# Altium PCB BMS_INV.PcbDoc (part 1 of 2)
Units mm, origin at the board's own origin, x right, y up, seen from the top; angles counter-clockwise.
Board outline 285.25 x 105.25 mm, 2 copper layers (Top Layer, Bottom Layer), stack 2.071 mm thick; 130 components, 72 nets, 340 pads, 833 vias.
Unrouted connection lines stored in the file: 8.
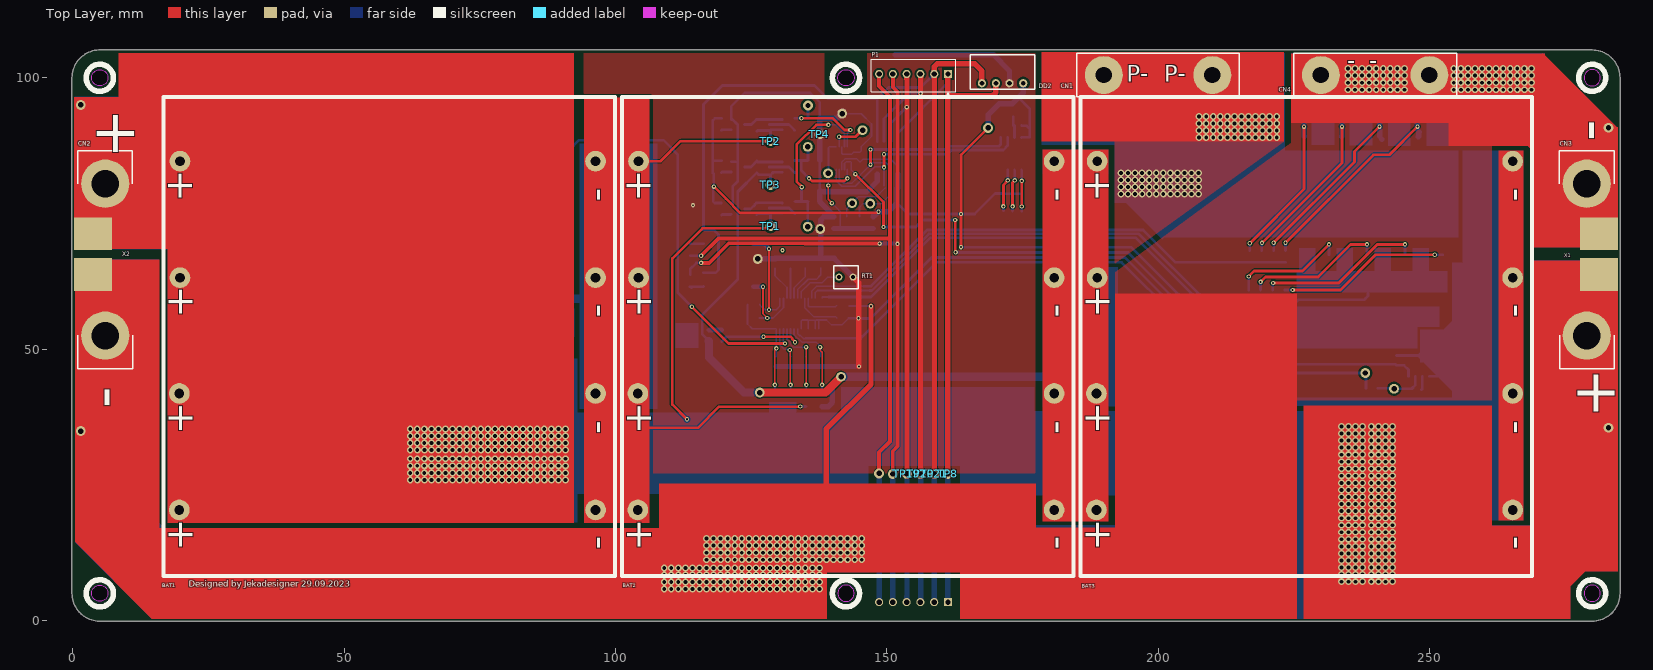
[diagram p0: Top Layer view]
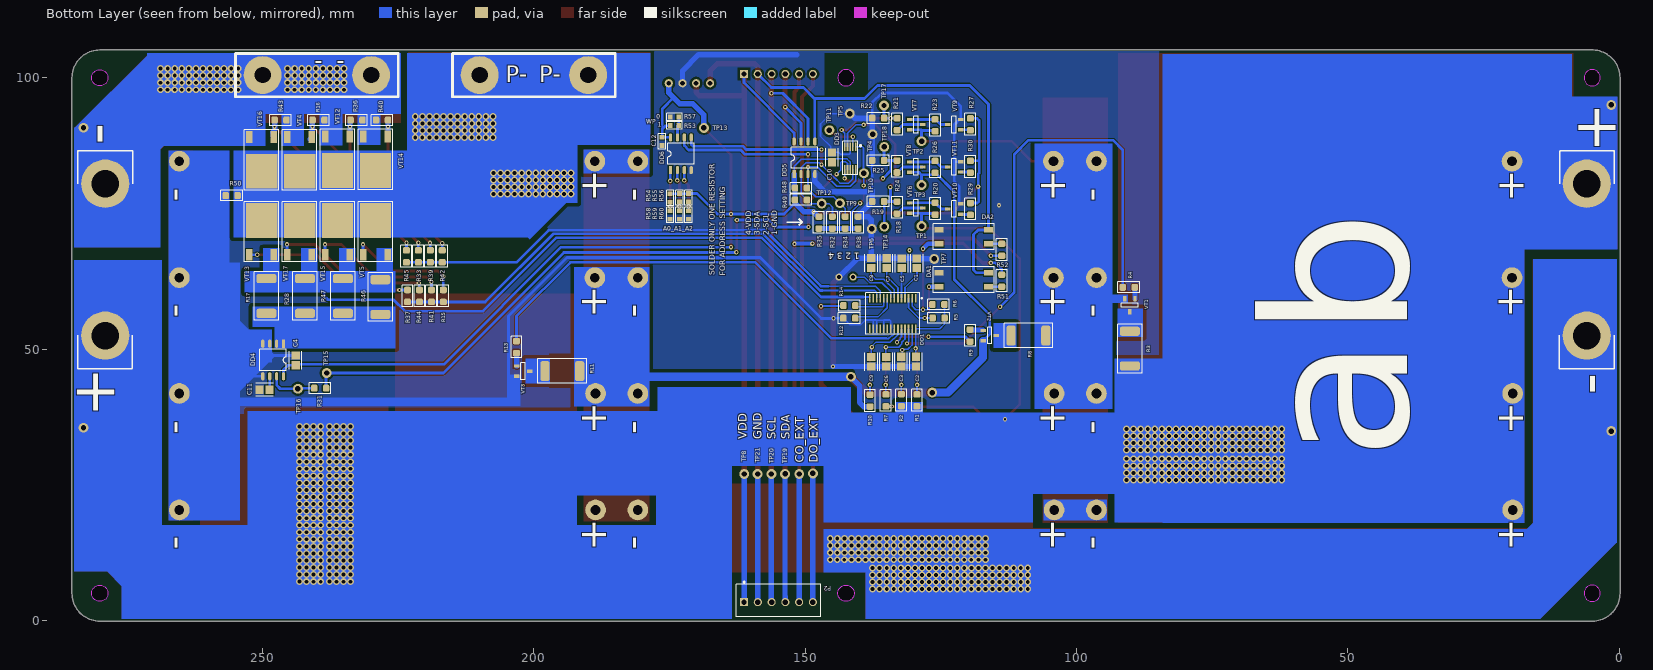
[diagram p1: Bottom Layer view, seen from below]
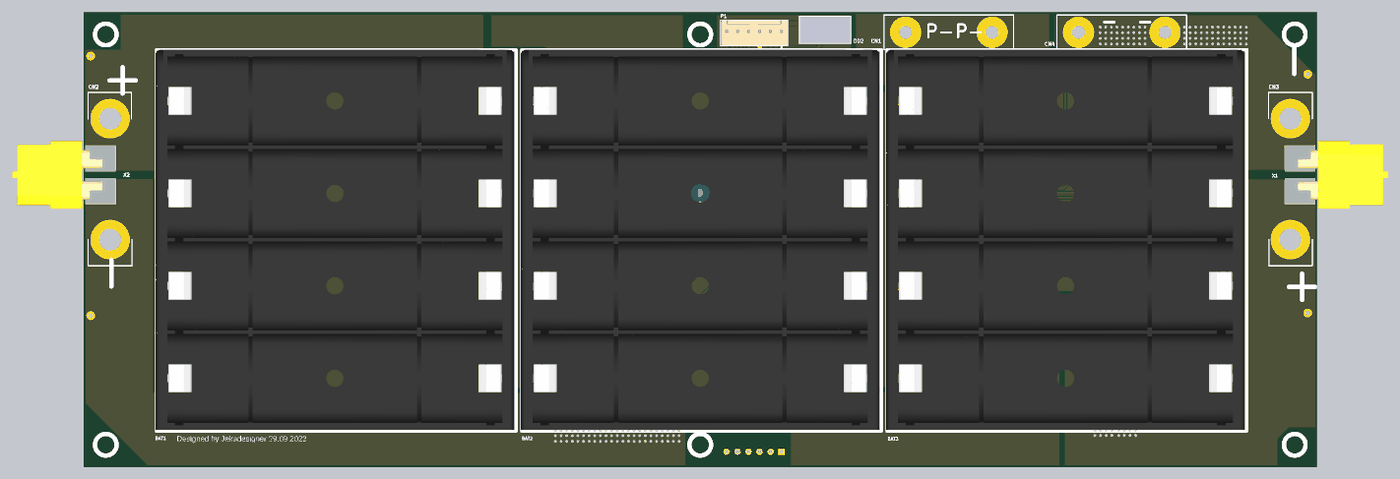
[diagram p3: 3D render of the assembled board from above, using the file's embedded part models]
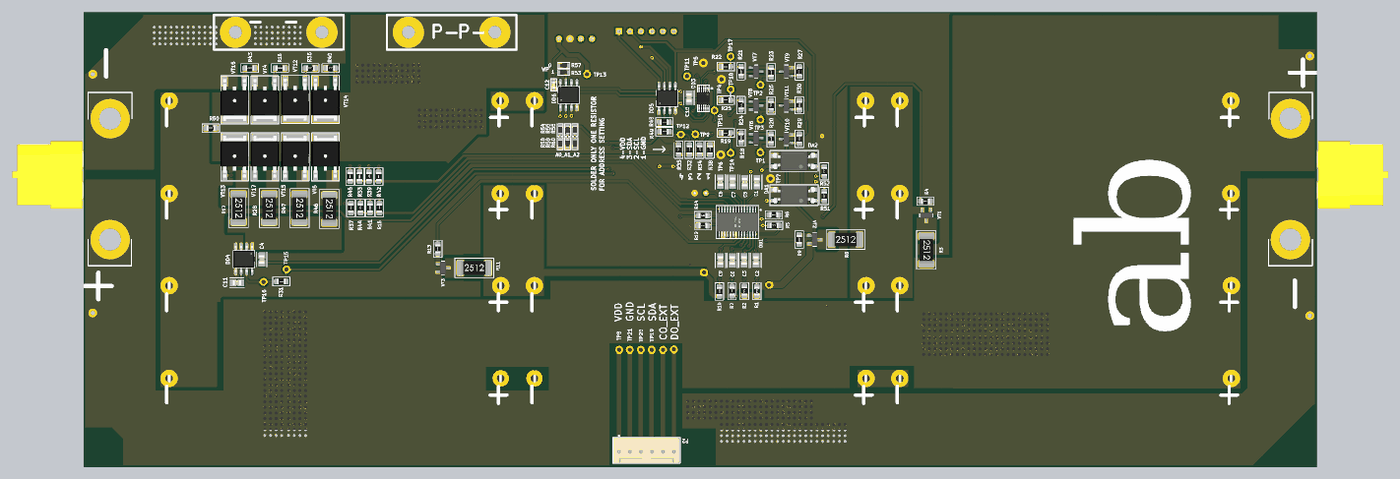
[diagram p4: 3D render of the assembled board from below, using the file's embedded part models]

## Layer stack, top to bottom
Top Solder: solder mask 0.0102, Solder Resist, Dk 3.5
Top Layer: signal copper 0.0356
Dielectric 1: dielectric 2, FR-4, Dk 4.8
Bottom Layer: signal copper 0.0356
Bottom Solder: solder mask 0.0102, Solder Resist, Dk 3.5

## Board outline
-0.127,5 -0.127,5.001 -0.127,100 cw(c5,100) 4.822,105.124 cw(c4.85,105) 4.85,105.127 280,105.127 cw(c280,105) 280.003,105.127 cw(c280,100) 285.127,100 285.127,5 cw(c280,5) 280.03,-0.127 cw(c280.025,-0.001) 280.025,-0.127 4.95,-0.127 cw(c4.95,0) 4.94,-0.127 cw(c5,5)
cut-out: 278.5,100 ccw(c280,100) 280,98.5 ccw(c280,100) 281.5,100 ccw(c280,100) 280,101.5 ccw(c280,100)
cut-out: 278.5,5 ccw(c280,5) 280,3.5 ccw(c280,5) 281.5,5 ccw(c280,5) 280,6.5 ccw(c280,5)
cut-out: 142.5,98.5 cw(c142.5,100) 141,100 cw(c142.5,100) 142.5,101.5 cw(c142.5,100) 144,100 cw(c142.5,100)
cut-out: 141,5 ccw(c142.5,5) 142.5,3.5 ccw(c142.5,5) 144,5 ccw(c142.5,5) 142.5,6.5 ccw(c142.5,5)
cut-out: 5,3.5 cw(c5,5) 3.5,5 cw(c5,5) 5,6.5 cw(c5,5) 6.5,5 cw(c5,5)
cut-out: 5,98.5 cw(c5,100) 3.5,100 cw(c5,100) 5,101.5 cw(c5,100) 6.5,100 cw(c5,100)

## Design rules (kind name [scope] priority, off if disabled: settings)
Clearance [All] p1: gap=0.2 ignorepadtopadclearanceinfootprint=TRUE except(0.4: THPad-THPad THPad-Poly THPad-Region THPad-Text THPad-Hole Fill-Fill Fill-Region Fill-Text Fill-Hole; 0.5: Arc-Poly; 0.7: Arc-Fill Fill-Poly)
ComponentClearance [All] p1: gap=0.254 collisioncheckmode=3 verticalgap=-10 showdistances=FALSE
DiffPairsRouting [All] p1: maxlimit=0.254 minlimit=0.1 mostfreqgap=0.1 toplayer_minwidth=0.381 toplayer_maxwidth=0.381 toplayer_prefwidth=0.381 bottomlayer_minwidth=0.381 bottomlayer_maxwidth=0.381 bottomlayer_prefwidth=0.381 maxuncoupledlength=12.7
Height [All] p1: minheight=0 maxheight=45 prefheight=12.7
HoleSize [All] p1: absolutevalues=TRUE maxlimit=10 minlimit=0.025 maxpercent=80.000 minpercent=20.000
HoleToHoleClearance [All] p1: gap=0 allowstackedmicrovias=TRUE
MinimumSolderMaskSliver [All] p1: minsoldermaskwidth=0.1
PlaneClearance PlaneClearance_1 [All] p1: clearance=1
PolygonConnect PolygonConnect_1 [All] p1: connectstyle=Direct reliefconductorwidth=0.254 reliefentries=4 polygonreliefangle="90 Angle" airgapwidth=0.254
RoutingVias [All] p1: holewidth=0.4 width=0.8 viastyle="Through Hole" minholewidth=0.4 minwidth=0.8 maxholewidth=4 maxwidth=6
ShortCircuit [All] p1: allowed=TRUE
SilkToSilkClearance [All] p1: silktosilkclearance=0.1
SilkToSolderMaskClearance [IsPad] p1: minsilkscreentomaskgap=0 clearancetoexposedcopper=TRUE
SolderMaskExpansion [All] p1: expansion=0.1 istentingtop=FALSE
Width [All] p1: maxlimit=12.7 minlimit=0.254 preferedwidth=1 bottomlayer_prefwidth=0.508 minimp=50.000000 maximp=50.000000 favimp=50.000000
20 further rules are at their usual default settings.

## Components (designator, comment, footprint, x,y, rotation, side; value= is the part's Value field where it differs from the comment)
BAT1 "21700_Bat" 21700_BAT 58,52.5 r90 top locked
BAT2 "21700_Bat" 21700_BAT 142.5,52.5 r90 top locked
BAT3 "21700_Bat" 21700_BAT 227,52.5 r90 top locked
C1 "C0805C224K5RACTU" FP-C0805C-DN-IPC_A 129.425,65.825 r270 bottom value="0.22 μF"
C2 "C0805C224K5RACTU" FP-C0805C-DN-IPC_A 129.6,47.7 r270 bottom value="0.22 μF"
C3 "C0805C224K5RACTU" FP-C0805C-DN-IPC_A 132.35,47.7 r270 bottom value="0.22 μF"
C4 "C0805C224K5RACTU" FP-C0805C-DN-IPC_A 243.925,47.925 r270 bottom value="0.22 μF"
C5 "C0805C224K5RACTU" FP-C0805C-DN-IPC_A 132.225,65.825 r270 bottom value="0.22 μF"
C6 "C0805C224K5RACTU" FP-C0805C-DN-IPC_A 135.075,47.675 r270 bottom value="0.22 μF"
C7 "C0805C224K5RACTU" FP-C0805C-DN-IPC_A 135.025,65.85 r270 bottom value="0.22 μF"
C8 "C0805C224K5RACTU" FP-C0805C-DN-IPC_A 137.85,65.875 r270 bottom value="0.22 μF"
C9 "C0805C224K5RACTU" FP-C0805C-DN-IPC_A 137.825,47.675 r270 bottom value="0.22 μF"
C10 "C0805C224K5RACTU" FP-C0805C-DN-IPC_A 145.075,85.35 r270 bottom value="0.22 μF"
C11 "C0805C224K5RACTU" FP-C0805C-DN-IPC_A 249.65,42.5 r0 bottom value="0.22 μF"
C12 "CAP-NON-POLAR" CAP-0603 176.4,88.3 r90 bottom
CN1 "BAT_CON" "Batarey_connector 3mm" 200,100.5 r180 top locked
CN2 "BAT_CON" Batarey_connector 6,66.5 r270 top locked
CN3 "BAT_CON" Batarey_connector 279,66.5 r90 top locked
CN4 "BAT_CON" "Batarey_connector 3mm" 240,100.5 r180 top locked
DA1 "PC817" 4-SMD 120.8,62.8 r0 bottom
DA2 "PC817" 4-SMD 120.8,70.7 r0 bottom
DD1 "BM3451" TSSOP-28 133.9,56.575 r270 bottom
DD2 "B0505S-1W" PLS-4-2.54mm 171.355,99 r0 top locked
DD3 "ADS1115" 10VSSOP 141.725,85.2 r270 bottom
DD4 "ACS712" SO8-150 248.05,48 r270 bottom
DD5 "ADUM1250ARZ" SO8-150 150.15,85.25 r90 bottom
DD6 "24C256" SO8-150 172.93,86 r90 bottom
P1 "61900611121" 61900611121 154.95,100.4 r0 top locked
P2 "61900611121" 61900611121 154.94,3.7 r0 bottom
R1 "1K" R-0805 129.425,40.575 r270 bottom
R2 "1K" R-0805 132.3,40.6 r270 bottom
R3 "10" R-2512 90.2,50.1 r270 bottom
R4 "4.7M" R-0805 90.4,61.4 r180 bottom
R5 "1M" R-0805 125.425,55.75 r180 bottom
R6 "1M" R-0805 125.475,58.225 r180 bottom
R7 "1K" R-0805 135.15,40.55 r270 bottom
R8 "10" R-2512 108.875,52.5 r180 bottom locked
R9 "4.7M" R-0805 119.625,52.5 r90 bottom locked
R10 "1K" R-0805 138.075,40.5 r270 bottom
R11 "10" R-2512 194.775,45.95 r180 bottom locked
R12 "7k" R-0805 141.9,55.725 r180 bottom
R13 "4.7M" R-0805 203.225,50.375 r270 bottom locked
R14 "220k" R-0805 141.875,58.025 r0 bottom
R15 "2K" R-0805 216.7,59.8 r270 bottom
R16 "10M" R-0805 239.7,92.2 r180 bottom
R17 "10m" R-2512 249.3,59.8 r270 bottom
R18 "300k" R-0805 133.075,76.075 r270 bottom
R19 "75k" R-0805 136.575,77.2 r180 bottom
R20 "300K" R-0805 126.075,75.875 r90 bottom
R21 "300k" R-0805 133.075,91.45 r270 bottom
R22 "150k" R-0805 136.575,92.575 r180 bottom
R23 "300K" R-0805 126.075,91.25 r90 bottom
R24 "300k" R-0805 133.075,83.65 r270 bottom
R25 "300k" R-0805 136.575,84.775 r180 bottom
R26 "300K" R-0805 126.075,83.575 r90 bottom
R27 "2K" R-0805 119.575,91.425 r90 bottom
R28 "10m" R-2512 242.2,59.8 r270 bottom
R29 "2K" R-0805 119.575,75.825 r90 bottom
R30 "2K" R-0805 119.575,83.6 r90 bottom
R31 "1K" R-0805 239.4,42.8 r0 bottom
R32 "1K" R-0805 145.025,73.325 r90 bottom
R33 "20R" R-0805 221.3,67.1 r90 bottom
R34 "1K" R-0805 142.65,73.325 r90 bottom
R35 "1K" R-0805 147.5,73.325 r90 bottom
R36 "10M" R-0805 232.7,92.2 r180 bottom
R37 "2K" R-0805 223.3,59.8 r90 bottom
R38 "1K" R-0805 140.25,73.325 r90 bottom
R39 "20R" R-0805 219.1,67.1 r270 bottom
R40 "10M" R-0805 228,92.2 r0 bottom
R41 "2K" R-0805 218.9,59.8 r90 bottom
R42 "20R" R-0805 216.9,67.1 r270 bottom
R43 "10M" R-0805 246.7,92.2 r180 bottom
R44 "2K" R-0805 221.1,59.8 r90 bottom
R45 "20R" R-0805 223.5,67.1 r270 bottom
R46 "10m" R-2512 228.3,59.6 r270 bottom
R47 "10m" R-2512 235.2,59.8 r270 bottom
R48 "10K" R-0805 150.8,79.7 r180 bottom
R49 "10K" R-0805 150.8,77.5 r180 bottom
R50 "10M" R-0805 255.7,78.3 r180 bottom
R51 "1K" R-0805 113.8,62.6 r90 bottom
R52 "1K" R-0805 113.8,68.3 r270 bottom
R53 "10K" RES-0603 174.1,91.2 r180 bottom
R54 "10K" RES-0603 174.9,77.875 r90 bottom
R55 "10K" RES-0603 173.2,77.9 r90 bottom
R56 "10K" RES-0603 171.5,77.9 r90 bottom
R57 "10K" RES-0603 174.1,92.8 r0 bottom
R58 "10K" RES-0603 174.9,74.7 r90 bottom
R59 "10K" RES-0603 173.2,74.7 r90 bottom
R60 "10K" RES-0603 171.5,74.725 r90 bottom
RT1 "RES-TEMP" NTC_MF52 142.5,63.275 r180 top locked
TP1 "Test_Point_PCB" Test_Point#1 128.25,72.675 r180 top
TP2 "Test_Point_PCB" Test_Point#2 128.325,88.325 r270 top
TP3 "Test_Point_PCB" Test_Point#3 128.2,80.25 r270 top
TP4 "Test_Point_PCB" Test_Point#4 137.6,89.6 r270 top
TP5 "Test_Point_PCB" Test_Point#4 141.792,93.4 r90 bottom
TP6 "Test_Point_PCB" Test_Point#4 137.75,72.15 r90 bottom
TP7 "Test_Point_PCB" Test_Point#4 126.25,66.625 r90 bottom
TP8 "Test_Point_PCB" Test_Point#5 161.25,27 r90 top
TP9 "Test_Point_PCB" Test_Point#4 143.625,76.9 r90 bottom
TP10 "Test_Point_PCB" Test_Point#4 139.2,82.4 r90 bottom
TP11 "Test_Point_PCB" Test_Point#4 145.55,90.35 r90 bottom
TP12 "Test_Point_PCB" Test_Point#4 146.975,76.825 r90 bottom
TP13 "Test_Point_PCB" Test_Point#4 168.675,90.775 r90 bottom
TP14 "Test_Point_PCB" Test_Point#4 135.439,72.575 r90 bottom
TP15 "Test_Point_PCB" Test_Point#4 238.2,45.6 r90 bottom
TP16 "Test_Point_PCB" Test_Point#4 243.5,42.7 r90 bottom
TP17 "Test_Point_PCB" Test_Point#4 135.5,94.9 r90 bottom
TP18 "Test_Point_PCB" Test_Point#4 135.45,87.275 r90 bottom
TP19 "Test_Point_PCB" Test_Point#5 153.725,27.025 r90 top
TP20 "Test_Point_PCB" Test_Point#5 156.25,27 r90 top
TP21 "Test_Point_PCB" Test_Point#5 158.8,27 r90 top
VT1 "MOSFET-N-GSD" SOT23-3 90.2,58.1 r270 bottom
VT2 "MOSFET-N-GSD" SOT23-3 116.025,52.5 r180 bottom locked
VT3 "MOSFET-N-GSD" SOT23-3 202,45.95 r180 bottom locked
VT4 "MOSFET-N-GDS" TO-220-5 243.2,84.9 r0 bottom locked
VT5 "MOSFET-N-GDS" TO-220-5 229.2,71.6 r180 bottom locked
VT6 "MOSFET-P-CH" SOT23-3 129.575,76 r180 bottom
VT7 "MOSFET-P-CH" SOT23-3 129.575,91.375 r180 bottom
VT8 "MOSFET-P-CH" SOT23-3 129.575,83.55 r180 bottom
VT9 "BC847-BEC" SOT23-3 122.575,91.375 r0 bottom
VT10 "BC847-BEC" SOT23-3 122.575,75.825 r0 bottom
VT11 "BC847-BEC" SOT23-3 122.575,83.575 r0 bottom
VT12 "MOSFET-N-GDS" TO-220-5 236.2,85 r0 bottom locked
VT13 "MOSFET-N-GDS" TO-220-5 250.2,71.6 r180 bottom locked
VT14 "MOSFET-N-GDS" TO-220-5 229.2,85 r0 bottom locked
VT15 "MOSFET-N-GDS" TO-220-5 236.2,71.6 r180 bottom locked
VT16 "MOSFET-N-GDS" TO-220-5 250.2,84.9 r0 bottom locked
VT17 "MOSFET-N-GDS" TO-220-5 243.2,71.6 r180 bottom locked
X1 "XT60-F" "XT60-F AMASS" 281.5,67.5 r270 top locked
X2 "XT60-F" "XT60-F AMASS" 3.5,67.5 r90 top locked

## Footprints (in the part's own frame and the unit in brackets; to place one, negate y for a bottom-side part, rotate by r counter-clockwise, add the part's x,y. Pads: shape width x height; smd on the part's side, far side on the other; paste and mask are expansions set on the pad)
4-SMD [mm]
  rect 1.6x1 smd: 1(-4.575,1.27) 2(-4.575,-1.27) 3(4.575,-1.27) 4(4.575,1.27)
  silkscreen extent -5.6,-2.4 5.6,2.4, body extent -5,-2.29 5,2.29, height 3.85
10VSSOP [mm]
  rect 1.6x0.3 smd: 1(-2.1,1) 2(-2.1,0.5) 3(-2.1,0) 4(-2.1,-0.5) 5(-2.1,-1) 6(2.1,-1) 7(2.1,-0.5) 8(2.1,0) 9(2.1,0.5) 10(2.1,1)
  silkscreen extent -3.1,-1.4 3.1,2.05, body extent -2.51,-1.5 2.51,1.5, height 1.05
21700_BAT [mil]
  round 150 hole 70: 1(-1265,1510) 2(-1265,-1510) 3(-420,1510) 4(-420,-1510) 5(420,1505) 6(420,-1510) 7(1265,1505) 8(1265,-1510)
  silkscreen extent -1745,-1650 1730,1625, body extent -1732,-1634 1732,1634, height 858
61900611121 [mm] "2.54mm Male Locking Header, 6p"
  rect 1.5x1.5 hole 1: 1(6.35,0.3)
  round 1.5 hole 1: 2(3.81,0.3) 3(1.27,0.3) 4(-1.27,0.3) 5(-3.81,0.3) 6(-6.35,0.3)
  silkscreen extent -7.79,-3.52 7.79,2.98, body extent -7.62,-2.9 7.62,2.9, height 11.53
Batarey_connector [mm]
  round 8.89 hole 5.08: 1(-14,0) 2(14,0)
  silkscreen extent -20.07,-5.08 20.07,5.08
"Batarey_connector 3mm" [mm]
  round 7 hole 3: 1(-10,0) 2(10,0)
  silkscreen extent -15,-4 15,4
CAP-0603 [mm]
  rect 0.85x0.9 smd: 1(-0.775,0) 2(0.775,0)
  silkscreen extent -1.43,-0.67 1.43,0.67, body extent -0.8,-0.4 0.8,0.4, height 0.8
FP-C0805C-DN-IPC_A [mm]
  rect 1.505x1.556 smd paste+0 mask+0: 1(-0.901,0) 2(0.901,0)
  silkscreen extent -1.65,-1.18 1.65,1.18, body extent -1,-0.63 1,0.63, height 0.88
NTC_MF52 [mm]
  round 1.3 hole 0.7: 1(-1.3,0) 2(1.3,0)
  silkscreen extent -2.3,-2.1 2.3,2.1, body extent -2.1,-2 2.08,2, height 33
PLS-4-2.54mm [mm]
  round 1.5 hole 0.9: 1(-3.81,0) 2(-1.24,0) 3(1.27,0) 4(3.81,0)
  silkscreen extent -5.95,-1.07 5.95,5.23, body extent -5.8,-0.92 5.8,5.08, height 10.16
R-0805 [mm] "Chip Resistor, 2-Leads, Body 2,00x1,25mm, IPC Medium Density"
  rrect50% 1.2x1.3 smd: 1(-1.1,0) 2(1.1,0)
  silkscreen extent -2,-1 2,1, body extent -1,-0.62 1,0.63, height 0.6
R-2512 [mm]
  rrect50% 1.7x3.7 smd: 1(-3.2,0) 2(3.2,0)
  silkscreen extent -4.5,-2.25 4.5,2.25, body extent -3.16,-1.6 3.16,1.6, height 0.62
RES-0603 [mm]
  rect 0.85x0.9 smd: 1(-0.775,0) 2(0.775,0)
  silkscreen extent -1.43,-0.67 1.43,0.67, body extent -0.85,-0.45 0.85,0.45, height 0.55
SO8-150 [mm]
  rect 1.5x0.6 smd: 1(-3,1.9)
  oval 1.5x0.6 smd: 2(-3,0.63) 3(-3,-0.64) 4(-3,-1.91) 5(3,-1.91) 6(3,-0.64) 7(3,0.63) 8(3,1.9)
  silkscreen extent -1.95,-2.45 1.95,2.45, body extent -3,-2.45 3,2.45, height 1.7
SOT23-3 [mm]
  rect 1x0.6 smd: 1(-1.2,0.95) 2(-1.2,-0.95) 3(1.2,0)
  silkscreen extent -0.4,-1.55 0.4,1.55, body extent -1.25,-1.46 1.23,1.46, height 1.02
Test_Point#1 [mm]
  round 1.8 hole 1 unplated paste+0.102 mask+0.102: 1(-0.325,0)
Test_Point#2 [mm]
  round 1.8 hole 1 unplated paste+0.102 mask+0.102: 1(0,0.25)
Test_Point#3 [mm]
  round 1.8 hole 1 unplated paste+0.102 mask+0.102: 1(0,0.375)
Test_Point#4 [mm]
  round 1.8 hole 1 unplated paste+0.102 mask+0.102: 1(0,0)
Test_Point#5 [mm]
  round 1.8 hole 1 unplated paste+0.102 mask+0.1: 1(0,0)
TO-220-5 [mm]
  rect 1.2x2.2 smd: 1(-2.28,-4.2) 3(2.28,-4.2)
  rect 5.8x6.4 smd: 2(0,2.1)
  silkscreen extent -3.2,-5.5 3.2,5.6, body extent -3.29,-4.77 3.29,4.93, height 2.3
TSSOP-28 [mm]
  rect 1.6x0.3 smd: 1(-2.8,4.225) 2(-2.8,3.575) 3(-2.8,2.925) 4(-2.8,2.275) 5(-2.8,1.625) 6(-2.8,0.975) 7(-2.8,0.325) 8(-2.8,-0.325) 9(-2.8,-0.975) 10(-2.8,-1.625) 11(-2.8,-2.275) 12(-2.8,-2.925) 13(-2.8,-3.575) 14(-2.8,-4.225) 15(2.8,-4.225) 16(2.8,-3.575) 17(2.8,-2.925) 18(2.8,-2.275) 19(2.8,-1.625) 20(2.8,-0.975) 21(2.8,-0.325) 22(2.8,0.325) 23(2.8,0.975) 24(2.8,1.625) 25(2.8,2.275) 26(2.8,2.925) 27(2.8,3.575) 28(2.8,4.225)
  silkscreen extent -3.8,-4.95 3.8,5.49, body extent -3.2,-4.85 3.2,4.85, height 1.17
"XT60-F AMASS" [mm] "Вилка; питания DC; XT60; \"мама\"; PIN: 2; на провод; под пайку; 30А"
  rect 6x7 smd: 1(-3.75,-0.25) 2(3.75,-0.25)
  body extent -7.75,-0.75 7.75,20.15, height 6.25

## Part data
C1 C2 C3 C4 C5 C6 C7 C8 C9 C10 C11: library part CMP-1036-04552-2, "CAP CER 0.22UF 50V X7R 0805", Capacitance="0.22 μF", Manufacturer=KEMET, Package=C0805C-DN, Temperature="-55°C to +125°C", Temperature Characteristic=X7R, Temperature Coefficient=30ppm/°C, Temperature Range High=+125°C, Temperature Range Low=-55°C, Tolerance=0.1, Voltage Rating="50 V", Automotive=No, Category=Cap, ComponentLink2Description=Datasheet, ComponentLink2URL=https://content.kemet.com/datasheets/KEM_C1003_C0G_SMD.pdf, Device Class L1="Passive Components", Device Class L2=Capacitors, Device Class L3="Ceramic Capacitors", Digikey Description="CAP CER 0.22UF 50V X7R 0805", Height=0.88mm, Ipc Land Pattern Name=CAPC200125X78, Lead Free=Yes, Manufacturer Part Number=C0805C224K5RACTU, Material=Ceramic, Mouser Description="CAP CER 0.22UF 50V X7R 0805", Octopart=https://octopart.com/c0805c224k5ractu-kemet-144670, RoHS=TRUE
CN1 CN2 CN3 CN4: "Batarey_connection"
P1 P2: "WR-WTB THT Male Vertical Locking Header, pitch 2.54mm, 6p", Contact Resistance=20mOhm, Operating Temperature="-40 to +105degC", Rated Current=3A, Withstanding Voltage=1000VAC, Working Voltage=250VAC, ComponentLink1Description=Manufacturer, ComponentLink1URL=http://www.we-online.de, ComponentLink2Description=Datasheet, ComponentLink2URL=https://www.we-online.com/catalog/datasheet/61900611121.pdf, Gender=Male, Mounting Technology=THT, Packaging=Bag, Part Number=61900611121, Pin Number=6, Pitch=2.54mm, Published Date="January 2020", Publisher="Wurth Elektronik", Type=Vertical
R1 R2 R4 R5 R6 R7 R9 R10 R12 R13 R14 R15 R16 R18 R19 R20 R21 R22 R23 R24 R25 R26 R27 R29 R30 R31 R32 R33 R34 R35 R36 R37 R38 R39 R40 R41 R42 R43 R44 R45 R48 R49 R50 R51 R52: library part R0805, "Резистор SMD", Package=R-0805, Tolerance=5%, ComponentType="Резистор SMD"
  R1 R2 R7 R10 R31 R32 R34 R35 R38 R51 R52: ComponentDescription="Резистор SMD, R-0805, 1KОм, 5%"
  R4 R9 R13: ComponentDescription="Резистор SMD, R-0805, 4.7MОм, 5%"
  R5 R6: ComponentDescription="Резистор SMD, R-0805, 1MОм, 5%"
  R12: ComponentDescription="Резистор SMD, R-0805, 7kОм, 5%"
  R14: ComponentDescription="Резистор SMD, R-0805, 220kОм, 5%"
  R15 R27 R29 R30 R37 R41 R44: ComponentDescription="Резистор SMD, R-0805, 2KОм, 5%"
  R16 R36 R40 R43 R50: ComponentDescription="Резистор SMD, R-0805, 10MОм, 5%"
  R18 R21 R24 R25: ComponentDescription="Резистор SMD, R-0805, 300kОм, 5%"
  R19: ComponentDescription="Резистор SMD, R-0805, 75kОм, 5%"
  R20 R23 R26: ComponentDescription="Резистор SMD, R-0805, 300KОм, 5%"
  R22: ComponentDescription="Резистор SMD, R-0805, 150kОм, 5%"
  R33 R39 R42 R45: ComponentDescription="Резистор SMD, R-0805, 20RОм, 5%"
  R48 R49: ComponentDescription="Резистор SMD, R-0805, 10KОм, 5%"
R3 R8 R11 R17 R28 R46 R47: library part R2512, "Резистор SMD", Package=R-2512, Tolerance=5%, ComponentType="Резистор SMD"
  R3 R8 R11: ComponentDescription="Резистор SMD, R-2512, 10Ом, 5%"
  R17 R28 R46 R47: ComponentDescription="Резистор SMD, R-2512, 10mОм, 5%"
R53 R54 R55 R56 R57 R58 R59 R60: library part RES-CONST
TP1 TP2 TP3 TP4 TP5 TP6 TP7 TP8 TP9 TP10 TP11 TP12 TP13 TP14 TP15 TP16 TP17 TP18 TP19 TP20 TP21: library part TP_PCB?, "Test_Point"
X1 X2: "Разъем", ComponentDescription="Разъём, XT60-F", ComponentTypе=Разъём

## Via types
v1: diameter 1.27, hole 0.7, Top Layer to Bottom Layer, tented both sides, 732 vias
v2: diameter 0.8, hole 0.4, Top Layer to Bottom Layer, tented both sides, 50 vias
v3: diameter 1.8, hole 1, Top Layer to Bottom Layer, 29 vias
v4: diameter 0.8, hole 0.4, Top Layer to Bottom Layer, 20 vias
v5: diameter 0.8, hole 0.3, Top Layer to Bottom Layer, 2 vias

## Nets (pads, with @x,y where several pads share a name; then routed paths per layer and width w, separated by ;. In a path a pad name is that pad's centre, name@x,y a point inside that pad or via, vN(x,y) a via of type N, cw(c..) or ccw(c..) an arc to the next point about the centre after c; other vN are vias at no path point)
A0: DD6.1 R54.1 R58.2 | length 8.4
  Top Layer w0.508: v4(174.9,76.287) v4(174.9,81)
  Bottom Layer w0.508: DD6.1@174.83,83 174.865,82.965 174.865,81.035 v4(174.9,81) ; R58.2@174.9,75.475 v4(174.9,76.287) R54.1@174.9,77.1
A1: DD6.2 R55.1 R59.2 | length 8.5
  Top Layer w0.508: v4(173.2,76.3) 173.2,80.656 173.6,81.056 v4(173.6,81.1)
  Bottom Layer w0.508: R59.2@173.2,75.475 v4(173.2,76.3) R55.1@173.2,77.125 ; DD6.2@173.56,83 173.578,82.982 173.578,81.122 v4(173.6,81.1)
A2: DD6.3 R56.1 R60.2 | length 8.6
  Top Layer w0.508: v4(171.5,76.312) 171.5,80.257 172.3,81.057 v4(172.3,81.1)
  Bottom Layer w0.508: R60.2@171.5,75.5 v4(171.5,76.312) R56.1@171.5,77.125 ; DD6.3@172.29,83 172.295,82.995 172.295,81.105 v4(172.3,81.1)
ADDR: DD3.1 R32.1 R34.1 R35.1 R38.1 TP10.1 | length 24.7
  Top Layer w0.3: v2(139.252,80.146) 139.252,77.645 139.9,76.997 v2(139.9,76.9)
  Bottom Layer w0.3: v3(139.2,82.4) 139.226,82.374 139.226,80.172 v2(139.252,80.146) ; TP10.1@139.225,82.35 139.275,82.4 139.275,87.124 139.451,87.3 DD3.1@140.725,87.3 ; v2(139.9,76.9) 139.925,76.9 141.45,75.375 141.45,72.225
  Bottom Layer w1: R38.1@140.25,72.225 141.45,72.225 R34.1@142.65,72.225 R32.1@145.025,72.225 R35.1@147.5,72.225
AIN0: DD3.4 R18.1 R19.2 TP14.1 | length 31.4
  Top Layer w0.5: v2(134.35,79.85) 134.35,79.931 133.4,80.881 133.4,87.7 137.025,91.325 v2(139.25,91.325)
  Bottom Layer w0.3: v2(139.25,91.325) 140.675,91.325 142.225,89.775 DD3.4@142.225,87.3
  Bottom Layer w0.5: v3(135.439,72.575) 135.475,72.611 R19.2@135.475,77.2
  Bottom Layer w0.508: R18.1@133.1,77.2 134.3,77.2 ; v2(134.35,79.85) 134.3,79.8 134.3,77.2 ; R19.2@135.475,77.2 134.3,77.2
AIN1: DD3.5 R21.1 R22.2 TP17.1 | length 18
  Top Layer w0.5: v2(134.275,92.562) 140.038,92.562 142.225,90.375 v2(143.3,90.375)
  Bottom Layer w0.3: DD3.5@142.725,87.3 142.725,89.8 v2(143.3,90.375)
  Bottom Layer w0.508: R21.1@133.075,92.55 133.088,92.562 v2(134.275,92.562) 135.463,92.562 R22.2@135.475,92.575 135.513,92.613 135.513,94.863 TP17.1@135.55,94.9
  other v3: 135.5,94.9
AIN2: DD3.6 R24.1 R25.2 TP18.1 | length 17.9
  Top Layer w0.508: v2(135.675,81.475) 135.754,81.475 136.229,81 142.196,81 142.671,81.475 v2(142.75,81.475)
  Bottom Layer w0.3: DD3.6@142.725,83.1 142.725,81.5 v2(142.75,81.475)
  Bottom Layer w0.508: R24.1@133.075,84.75 133.088,84.763 134.275,84.763 ; TP18.1@135.475,87.25 R25.2@135.475,84.775 135.463,84.763 134.275,84.763 ; v2(135.675,81.475) 134.275,82.875 134.275,84.763
  other v3: 135.45,87.275
AIN3: DD3.7 R31.1 TP15.1 | length 124.1
  Top Layer w0.3: v2(144.225,82.25) v2@144.262,82.25
  Top Layer w0.5: v2@144.282,82.23 144.282,82.193 149.4,77.075 v2(149.4,72.5) ; v2(162.6,73.8) 162.65,73.75 162.65,67.9 v2(162.7,67.85)
  Bottom Layer w0.3: DD3.7@142.225,83.1 142.225,84.2 142.525,84.5 143.324,84.5 143.5,84.324 143.5,82.975 v2(144.225,82.25)
  Bottom Layer w0.5: v2(149.4,72.5) 155.35,72.5 156.65,73.8 v2(162.6,73.8) ; v2(162.7,67.85) 162.75,67.8 194.5,67.8 216.7,45.6 v3(238.2,45.6) 238.3,45.5 R31.1@238.3,42.8
ALERT/RDY: DD3.2 TP11.1 | length 6.7
  Top Layer w0.508: v2(141.225,89.15) 144.288,89.15 145.488,90.35 v3(145.55,90.35)
  Bottom Layer w0.3: DD3.2@141.225,87.3 141.225,88.3 v2(141.225,89.15)
CH: CN2.2 CN3.2 CN4.1 CN4.2 R14.2 R16.2 R36.2 R40.2 R43.2 VT4.3 VT12.3 VT14.3 VT16.3 X1.1 X2.1 | length 73.6
  Top Layer w1: v1(120.7,15.1) v1(140.2,15.1) 140.525,15.425 141.175,15.425 142.75,17 ; v1@137.7,15.2 138.85,16.35 138.85,35.25 147.1,43.5 v2(147.1,57.9)
  Bottom Layer w0.3: R14.2@142.975,58.025 143.038,57.963 147.038,57.963 v2(147.1,57.9)
  other v1: 109.007,5.799 110.307,5.799 111.607,5.799 112.907,5.799 114.207,5.799 115.507,5.799 116.807,5.799 118.107,5.799 119.407,5.799 120.707,5.799 122.007,5.799 123.307,5.799 124.607,5.799 125.907,5.799 127.207,5.799 128.507,5.799 129.807,5.799 131.107,5.799 132.407,5.799 133.707,5.799 135.007,5.799 136.307,5.799 137.607,5.799 109,7.1 110.3,7.1 111.6,7.1 112.9,7.1 114.2,7.1 115.5,7.1 116.8,7.1 118.1,7.1 119.4,7.1 120.7,7.1 122,7.1 123.3,7.1 124.6,7.1 125.9,7.1 127.2,7.1 128.5,7.1 129.8,7.1 131.1,7.1 132.4,7.1 133.7,7.1 135,7.1 136.3,7.1 137.6,7.1 109,8.4 110.3,8.4 111.6,8.4 112.9,8.4 114.2,8.4 115.5,8.4 116.8,8.4 118.1,8.4 119.4,8.4 120.7,8.4 122,8.4 123.3,8.4 124.6,8.4 125.9,8.4 127.2,8.4 128.5,8.4 129.8,8.4 131.1,8.4 132.4,8.4 133.7,8.4 135,8.4 136.3,8.4 137.6,8.4 109,9.7 110.3,9.7 111.6,9.7 112.9,9.7 114.2,9.7 115.5,9.7 116.8,9.7 118.1,9.7 119.4,9.7 120.7,9.7 122,9.7 123.3,9.7 124.6,9.7 125.9,9.7 127.2,9.7 128.5,9.7 129.8,9.7 131.1,9.7 132.4,9.7 133.7,9.7 135,9.7 136.3,9.7 137.6,9.7 116.807,11.199 118.107,11.199 119.407,11.199 120.707,11.199 122.007,11.199 123.307,11.199 124.607,11.199 125.907,11.199 127.207,11.199 128.507,11.199 129.807,11.199 131.107,11.199 132.407,11.199 133.707,11.199 135.007,11.199 136.307,11.199 137.607,11.199 138.907,11.199 140.207,11.199 141.507,11.199 142.807,11.199 144.107,11.199 145.407,11.199 116.8,12.5 118.1,12.5 119.4,12.5 120.7,12.5 122,12.5 123.3,12.5 124.6,12.5 125.9,12.5 127.2,12.5 128.5,12.5 129.8,12.5 131.1,12.5 132.4,12.5 133.7,12.5 135,12.5 136.3,12.5 137.6,12.5 138.9,12.5 140.2,12.5 141.5,12.5 142.8,12.5 144.1,12.5 145.4,12.5 116.8,13.8 118.1,13.8 119.4,13.8 120.7,13.8 122,13.8 123.3,13.8 124.6,13.8 125.9,13.8 127.2,13.8 128.5,13.8 129.8,13.8 131.1,13.8 132.4,13.8 133.7,13.8 135,13.8 136.3,13.8 137.6,13.8 138.9,13.8 140.2,13.8 141.5,13.8 142.8,13.8 144.1,13.8 145.4,13.8 116.8,15.1 118.1,15.1 119.4,15.1 122,15.1 123.3,15.1 124.6,15.1 125.9,15.1 127.2,15.1 128.5,15.1 129.8,15.1 131.1,15.1 132.4,15.1 133.7,15.1 135,15.1 136.3,15.1 137.6,15.1 138.9,15.1 141.5,15.1 142.8,15.1 144.1,15.1 145.4,15.1 235,97.8 236.3,97.8 237.6,97.8 238.9,97.8 240.2,97.8 241.5,97.8 242.8,97.8 244.1,97.8 245.4,97.8 254.5,97.8 255.8,97.8 257.1,97.8 258.4,97.8 259.7,97.8 261,97.8 262.3,97.8 263.6,97.8 264.9,97.8 266.2,97.8 267.5,97.8 268.8,97.8 234.993,99.101 236.293,99.101 237.593,99.101 238.893,99.101 240.193,99.101 241.493,99.101 242.793,99.101 244.093,99.101 245.393,99.101 254.493,99.101 255.793,99.101 257.093,99.101 258.393,99.101 259.693,99.101 260.993,99.101 262.293,99.101 263.593,99.101 264.893,99.101 266.193,99.101 267.493,99.101 268.793,99.101 234.993,100.401 236.293,100.401 237.593,100.401 238.893,100.401 240.193,100.401 241.493,100.401 242.793,100.401 244.093,100.401 245.393,100.401 254.493,100.401 255.793,100.401 257.093,100.401 258.393,100.401 259.693,100.401 260.993,100.401 262.293,100.401 263.593,100.401 264.893,100.401 266.193,100.401 267.493,100.401 268.793,100.401 234.993,101.701 236.293,101.701 237.593,101.701 238.893,101.701 240.193,101.701 241.493,101.701 242.793,101.701 244.093,101.701 245.393,101.701 254.493,101.701 255.793,101.701 257.093,101.701 258.393,101.701 259.693,101.701 260.993,101.701 262.293,101.701 263.593,101.701 264.893,101.701 266.193,101.701 267.493,101.701 268.793,101.701
  other v3: 1.5,34.9 283,90.8
CO: DD1.11 R33.1 R39.2 R42.2 R45.2 | length 95.8
  Bottom Layer w0.3: DD1.11@136.175,59.375 136.175,60.725 137.05,61.6 145.8,61.6
  Bottom Layer w0.5: 145.8,61.6 147.12,61.6 157.47,71.95 197.25,71.95 203.2,66 R42.2@216.9,66 R39.2@219.1,66 R45.2@223.5,66
CO_EXT: P1.5 P2.5 R51.2 | length 139.3
  Top Layer w0.7: v4(115.8,65.9) 117.3,65.9 120.9,69.5 134.859,69.5 134.909,69.45 v4(148.7,69.45) ; v3(151.1,27) 151.1,31.2 152,32.1 152,97.4 151.14,98.26 P1.5@151.14,100.7
  Bottom Layer w0.3: P2.5@151.115,3.415 P2.5@151.13,3.4
  Bottom Layer w0.5: R51.2@113.8,63.7 113.8,64.75 114.95,65.9 v4(115.8,65.9)
  Bottom Layer w0.7: v4(148.7,69.45) 151.923,69.45 151.973,69.4 v4(152,69.4)
  Bottom Layer w1: v3(151.1,27) 151.115,26.985 P2.5@151.115,3.415
COIN: DA1.4 DD1.3 R5.1 | length 14.9
  Top Layer w0.3: v4(127.2,61.5) 127.2,56.55 v4(128,55.75)
  Bottom Layer w0.3: DA1.4@125.375,61.53 DA1.4@125.405,61.5 ; R5.1@126.525,55.75 v4(128,55.75) 129.075,55.75 130.975,57.65 DD1.3@130.975,59.375
  Bottom Layer w0.8: DA1.4@125.405,61.5 v4(127.2,61.5)
DO: DD1.12 R15.2 R37.1 R41.1 R44.1 | length 97.2
  Bottom Layer w0.3: DD1.12@136.825,59.375 136.825,60.425 137.2,60.8 146.9,60.8
  Bottom Layer w0.5: 146.9,60.8 147.31,60.8 157.76,71.25 196.45,71.25 209,58.7 R15.2@216.7,58.7 R41.1@218.9,58.7 R44.1@221.1,58.7 R37.1@223.3,58.7
DO_EXT: P1.6 P2.6 R52.2 | length 137.1
  Top Layer w0.7: v4(115.8,67.2) 119,70.4 150.6,70.4 ; v3(148.6,27.1) 148.6,31 150.6,33 150.6,70.4 ; P1.6@148.6,100.7 148.6,98.5 150.6,96.5 150.6,70.4
  Bottom Layer w0.3: P2.6@148.59,3.4 P2.6@148.595,3.405
  Bottom Layer w0.5: R52.2@113.8,67.2 v4(115.8,67.2)
  Bottom Layer w1: P2.6@148.595,3.405 148.595,27.095 v3(148.6,27.1)
DOIN: DA2.4 DD1.2 R6.1 | length 20.4
  Top Layer w0.3: v4(128.3,57.275) v4(128.3,68.5)
  Bottom Layer w0.3: DA2.4@125.375,69.43 DA2.4@125.405,69.4 ; R6.1@126.575,58.225 126.575,58.2 126.946,57.829 126.971,57.829 127.525,57.275 v4(128.3,57.275) 129.625,57.275 130.325,57.975 DD1.2@130.325,59.375
  Bottom Layer w0.8: DA2.4@125.405,69.4 125.43,69.425 127.375,69.425 v4(128.3,68.5)
GATE_1: R26.2 VT8.1 VT11.3 | length 7.5
  Bottom Layer w0.508: VT11.3@123.775,83.575 124.975,83.575 125.707,84.307 125.707,84.333 126.05,84.675 R26.2@126.075,84.675 126.25,84.5 VT8.1@130.775,84.5
GATE_2: R23.2 VT7.1 VT9.3 | length 7.4
  Bottom Layer w0.508: VT9.3@123.775,91.375 125.037,91.375 126.012,92.35 R23.2@126.075,92.35 126.088,92.338 130.763,92.338 VT7.1@130.775,92.325
GATE_3: R20.2 VT6.1 VT10.3 | length 7.5
  Bottom Layer w0.508: VT10.3@123.775,75.825 124.925,75.825 125.707,76.607 125.707,76.633 126.05,76.975 R20.2@126.075,76.975 126.087,76.963 130.763,76.963 VT6.1@130.775,76.95
GND: BAT3.2 BAT3.4 BAT3.6 BAT3.8 C1.1 C2.2 C3.2 C4.1 C5.1 C6.2 C7.1 C8.1 C9.2 C10.1 C11.2 C12.1 DA1.3 DA2.3 DD1.16 DD1.17 DD1.19 DD1.21 DD2.3 DD3.3 DD4.3 DD4.4 DD4.5 DD5.4 DD6.4 R12.1 R19.1 R22.1 R25.1 R38.2 R50.1 R57.2 R58.1 R59.1 R60.1 RT1.1 TP4.1 TP5.1 TP6.1 TP7.1 VT3.2 VT9.2 VT10.2 VT11.2 | length 299.4
  Top Layer w1: RT1.1@143.8,63.275 144.825,62.25 144.825,46.875 v2(144.9,46.8)
  Bottom Layer w0.3: DD1.21@134.225,53.775 134.225,55.15 134.45,55.375 135.55,55.375 135.525,55.35 ; DD1.19@135.525,53.775 135.525,55.35 ; DD1.17@136.825,53.775 136.825,55.25 136.925,55.35 ; DD1.16@137.475,53.775 137.475,55.325 137.525,55.375 ; DD3.3@141.725,87.3 141.725,86.076 141.901,85.9 143.5,85.9 143.851,86.251 C10.1@145.101,86.251 ; v3(141.792,93.4) 145.3,93.4 147.2,91.5 147.2,89.2 145.277,87.277 145.277,86.453 C10.1@145.075,86.251 ; R12.1@143.013,55.712 R12.1@143,55.725 141.8,54.525 139.75,54.525 138.9,55.375 137.525,55.375 ; v2@144.788,55.712 v2(144.8,55.7) v2@144.85,55.65 ; 203.75,42.4 204.7,43.35 ; 135.525,55.35 136.925,55.35 ; 136.925,55.35 136.95,55.375 137.525,55.375
  Bottom Layer w0.5: 137.675,79.2 R25.1@137.675,84.775 ; R12.1@143.013,55.712 v2@144.788,55.712 ; v2@144.85,55.65 147.05,55.65 158.3,66.9 193.9,66.9 204.7,56.1 204.7,43.35 ; C4.1@243.925,48.826 249.028,48.826 249.528,49.326 250.674,49.326 253.743,46.257 254.45,46.257 255.339,45.368 ; DD4.5@249.96,45 254.97,45
  Bottom Layer w0.508: VT10.2@121.375,76.775 121.575,76.775 121.621,76.821 121.621,79.971 122.55,80.9 122.55,84.525 ; VT11.2@121.375,84.525 122.55,84.525 ; R22.1@137.675,92.575 137.675,95.425 135.9,97.2 123.8,97.2 121.375,94.775 VT9.2@121.375,92.325 121.575,92.325 122.55,91.35 122.55,84.525
  Bottom Layer w1: TP7.1@126.269,66.644 C1.1@129.425,66.644 ; C1.1@129.469,66.77 C5.1@132.181,66.77 ; C2.2@129.6,46.799 v2@144.899,46.799 ; C5.1@132.225,66.751 C7.1@135.025,66.751 C8.1@137.825,66.751 ; R19.1@137.675,77.2 137.775,77.1 137.775,77.05 140.1,74.725 140.1,74.525 R38.2@140.186,74.439 ; R19.1@137.675,77.25 137.675,79.2 137.875,79 146.325,79 148.24,80.915 DD5.4@148.24,82.25 ; R25.1@137.675,84.775 R22.1@137.675,92.575 140.859,92.575 141.684,93.4 v3(141.792,93.4) ; R38.2@140.25,74.425 138.436,74.425 137.85,73.839 C8.1@137.85,66.776 C8.1@137.825,66.751 ; RT1.1@143.8,63.275 140.324,66.751 C8.1@137.825,66.751 ; 151.6,104.25 169.65,104.25 172.625,101.275 DD2.3@172.625,99
  other v3: 126.25,66.625 137.75,72.15 137.6,89.6
  other v5: 114.3,76.5
GND_2: DA1.2 DA2.2 DD2.1 DD5.5 P1.2 P2.2 TP21.1 | length 200.4
  Top Layer w1: P1.2@158.75,100.175 158.75,102.014 159.336,102.6 166.2,102.6 167.545,101.255 DD2.1@167.545,99 ; v3(158.8,27) 158.8,69.7 P1.2@158.8,100.125
  Bottom Layer w0.5: DA1.2@116.225,64.07 118.47,64.07 119,64.6 119,71.1 118.13,71.97 DA2.2@116.225,71.97 116.225,95.125 119.7,98.6 136.7,98.6 139.1,96.2 148.35,96.2 ; DD5.5@148.24,88.25 148.24,96.09 148.35,96.2 ; P1.2@158.76,100.7 156.26,98.2 150.35,98.2 148.35,96.2
  Bottom Layer w0.508: P2.2@158.75,4 P2.2@158.775,4.025
  Bottom Layer w1: P2.2@158.775,4.025 158.775,26.975 v3(158.8,27)
IP+: DD4.1 DD4.2 R17.2 R28.2 R46.2 R47.2
NetBAT1_2: BAT1.2 BAT1.4 BAT1.6 BAT1.8 BAT2.1 BAT2.3 BAT2.5 BAT2.7 R7.2 R8.2 R23.1 TP2.1 VT1.2 VT7.2 | length 71.4
  Top Layer w0.508: BAT2.3@104.146,41.832 104.146,35.798 104.444,35.5 115.2,35.5 119.1,39.4 134.045,39.4 v2(134.07,39.425) ; BAT2.7@104.273,84.631 108.331,84.631 112.025,88.325 v3(128.575,88.325)
  Bottom Layer w0.508: R23.1@126.075,90.15 126.225,90.3 128.575,90.3 ; v3(128.575,88.325) 128.575,90.3 ; VT7.2@130.775,90.425 128.7,90.425 128.575,90.3 ; v2(134.07,39.425) 134.083,39.437 135.138,39.437 R7.2@135.15,39.45